# Altium PCB ie-track-kit-arduino-1-V11.PcbDoc (part 1 of 3) (continued)
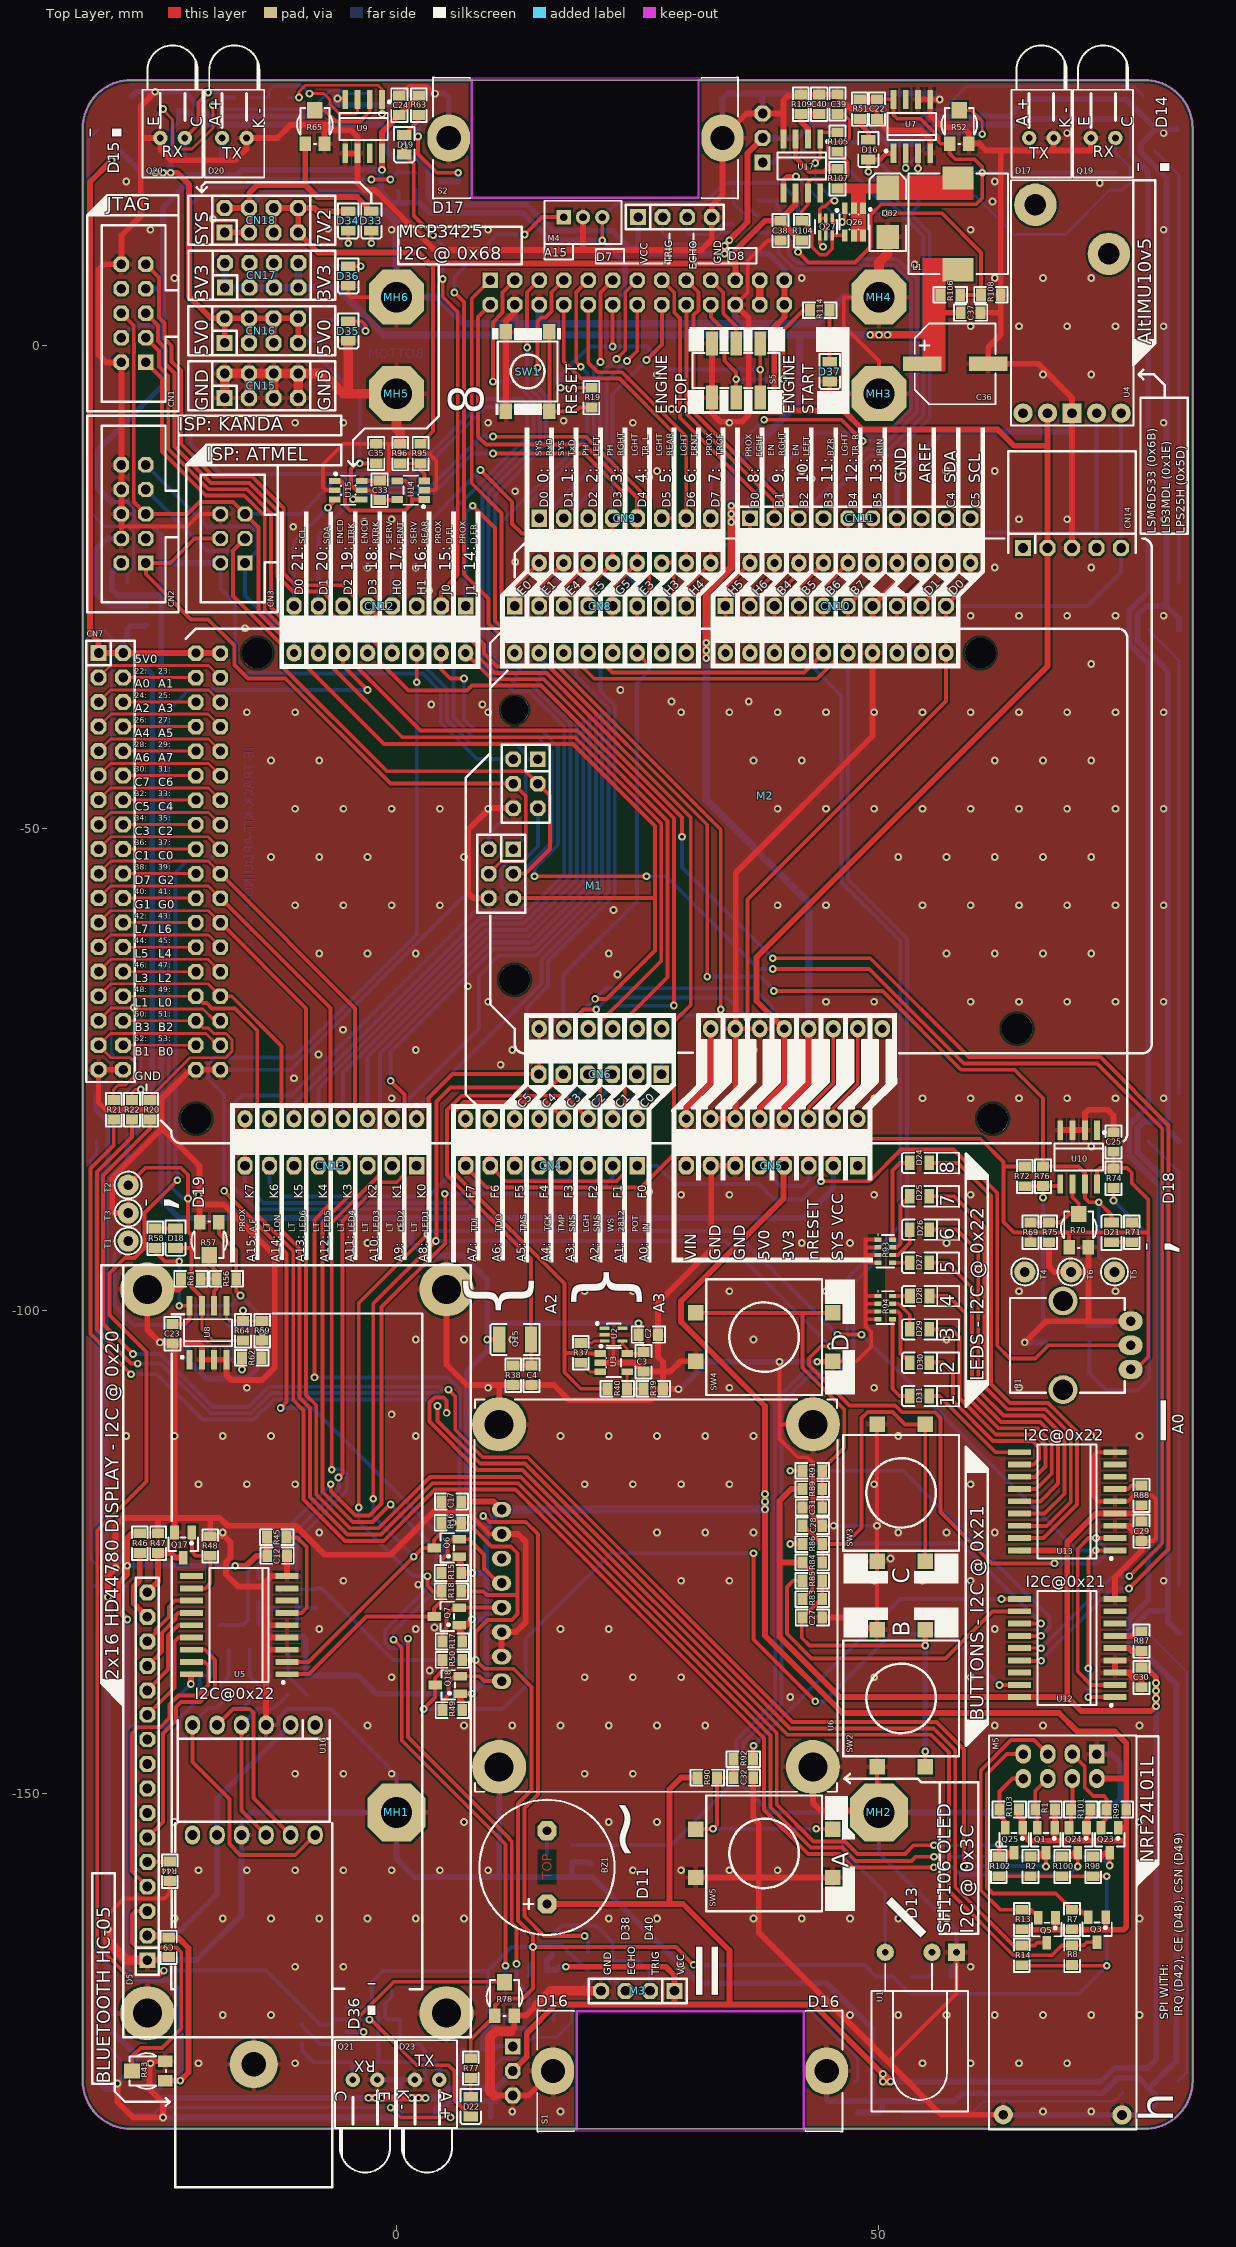
[diagram p0: Top Layer view]
## Footprints (in the part's own frame and the unit in brackets; to place one, negate y for a bottom-side part, rotate by r counter-clockwise, add the part's x,y. Pads: shape width x height; smd on the part's side, far side on the other; paste and mask are expansions set on the pad) (continued)
ARDUINO_MEGA_UPSIDE_DOWN [mm]
  round 3.2 hole 3.2: 1(-41.275,24.13) 1(-40.005,-24.13) 1(34.925,-24.13) 1(41.275,24.13)
  oct 1.6x1.6 hole 0.95: 5V(38.735,-24.13) 5V(41.275,-24.13) D22(38.735,-21.59) D23(41.275,-21.59) D24(38.735,-19.05) D25(41.275,-19.05) D26(38.735,-16.51) D27(41.275,-16.51) D28(38.735,-13.97) D29(41.275,-13.97) D30(38.735,-11.43) D31(41.275,-11.43) D32(38.735,-8.89) D33(41.275,-8.89) D34(38.735,-6.35) D35(41.275,-6.35) D36(38.735,-3.81) D37(41.275,-3.81) D38(38.735,-1.27) D39(41.275,-1.27) D40(38.735,1.27) D41(41.275,1.27) D42(38.735,3.81) D43(41.275,3.81) D44(38.735,6.35) D45(41.275,6.35) D46(38.735,8.89) D47(41.275,8.89) D48(38.735,11.43) D49(41.275,11.43) D50(38.735,13.97) D51(41.275,13.97) D52(38.735,16.51) D53(41.275,16.51) GND(38.735,19.05) GND(41.275,19.05)
  oval 1.6x1.8 hole 0.85: A0(-4.445,24.13) A1(-1.905,24.13) A2(0.635,24.13) A3(3.175,24.13) A4(5.715,24.13) A5(8.255,24.13) A6(10.795,24.13) A7(13.335,24.13) A8(18.415,24.13) A9(20.955,24.13) A10(23.495,24.13) A11(26.035,24.13) A12(28.575,24.13) A13(31.115,24.13) A14(33.655,24.13) A15(36.195,24.13) AREF(-31.369,-24.13) D0(8.255,-24.13) D1(5.715,-24.13) D2(3.175,-24.13) D3(0.635,-24.13) D4(-1.905,-24.13) D5(-4.445,-24.13) D6(-6.985,-24.13) D7(-9.525,-24.13) D8(-13.589,-24.13) D9(-16.129,-24.13) D10(-18.669,-24.13) D11(-21.209,-24.13) D12(-23.749,-24.13) D13(-26.289,-24.13) D14(13.335,-24.13) D15(15.875,-24.13) D16(18.415,-24.13) D17(20.955,-24.13) D18(23.495,-24.13) D19(26.035,-24.13) D20(28.575,-24.13) D21(31.115,-24.13) GND(-28.829,-24.13) P1(-27.305,24.13) P2(-24.765,24.13) P3(-22.225,24.13) P4(-19.685,24.13) P5(-17.145,24.13) P6(-14.605,24.13) P7(-12.065,24.13) P8(-9.525,24.13) SCL(-36.449,-24.13) SDA(-33.909,-24.13)
  rect 1.6x1.6 hole 1: PROG1(8.382,-3.81)
  oct 1.6x1.6 hole 1: PROG2(10.922,-3.81) PROG3(8.382,-1.27) PROG4(10.922,-1.27) PROG5(8.382,1.27) PROG6(10.922,1.27)
  silkscreen extent -55.24,-26.67 46.4,26.67, body extent -61.59,-26.67 46.36,26.67, height 15.6
ARDUINO_UNO_UPSIDE_DOWN [mm]
  round 3.2 hole 3.2: 1(-26.035,24.13) 1(26.035,19.05)
  round 2.9 hole 2.9: 1(26.035,-8.89)
  oval 1.6x1.8 hole 0.85: A0(10.795,24.13) A1(13.335,24.13) A2(15.875,24.13) A3(18.415,24.13) A4(20.955,24.13) A5(23.495,24.13) AREF(-16.129,-24.13) D0(23.495,-24.13) D1(20.955,-24.13) D2(18.415,-24.13) D3(15.875,-24.13) D4(13.335,-24.13) D5(10.795,-24.13) D6(8.255,-24.13) D7(5.715,-24.13) D8(1.651,-24.13) D9(-0.889,-24.13) D10(-3.429,-24.13) D11(-5.969,-24.13) D12(-8.509,-24.13) D13(-11.049,-24.13) GND(-13.589,-24.13) P1(-12.065,24.13) P2(-9.525,24.13) P3(-6.985,24.13) P4(-4.445,24.13) P5(-1.905,24.13) P6(0.635,24.13) P7(3.175,24.13) P8(5.715,24.13) SCL(-21.209,-24.13) SDA(-18.669,-24.13)
  rect 1.6x1.6 hole 1: PROG1(23.622,-3.81)
  oct 1.6x1.6 hole 1: PROG2(26.162,-3.81) PROG3(23.622,-1.27) PROG4(26.162,-1.27) PROG5(23.622,1.27) PROG6(26.162,1.27)
  silkscreen extent -40.01,-26.67 28.57,26.67, body extent -46.35,-26.67 28.58,26.67, height 15.55
BUZ-13,8-7,6 [mm] "BUZZER (w or w/o generator), D:13,8mm, P:7,6mm (eg. BPT1412XH7.5)"
  oct 2x2 hole 0.9: 1(-3.8,0) 2(3.8,0)
  silkscreen extent -7,-7 7,7, body extent -7,-7 7,7, height 7.35
C0805 [mil]
  rect 40x50 smd: 1(-40,0) 2(40,0)
  silkscreen extent -68,-33 68,33, body extent -39,-25 39,25, height 31
CES_E_8.3x8.3_6.2 [mm] "SMT Aluminum Electrolytic Capacitor, E Size; base: 8.3x8.3mm, height: 6.2mm"
  rect 1.5x4 smd: 1(0,3.429) 2(0,-3.429)
  silkscreen extent -4.19,-4.19 4.19,4.19, body extent -4.15,-4.5 4.15,4.5, height 6.2
DTSM-25Y [mm] "Diptronics SPST-NO, 50mA/12VDC Yellow TACT Switch"
  rect 1.6x1.6 smd: 1(-7.1,-2.5) 1(7.1,-2.5) 2(-7.1,2.5) 2(7.1,2.5)
  silkscreen extent -6,-6 6,6, body extent -7.5,-6 7.5,6, height 8.5
DTSM-65R [mm] "Diptronics SPST-NO, 50mA/12VDC Red TACT Switch"
  rect 1.6x1.3 smd: 1(-4.125,-2.25) 1(4.125,-2.25) 2(-4.125,2.25) 2(4.125,2.25)
  silkscreen extent -3.1,-3.1 3.1,3.1, body extent -4.54,-3.1 4.54,3.1, height 9.55
GP_4x2 [mil]
  rect 65x65 hole 39.37: 1(0,0)
  oct 65x65 hole 39.37: 2(0,100) 3(100,0) 4(100,100) 5(200,0) 6(200,100) 7(300,0) 8(300,100)
  silkscreen extent -50,-50 350,150, body extent -50,-50 350,150, height 330
GP_5x1H_F [mil]
  rect 65x65 hole 39.37: 1(0,0)
  oct 65x65 hole 39.37: 2(100,0) 3(200,0) 4(300,0) 5(400,0)
  silkscreen extent -60,-20 460,395, body extent -60,-10 460,393, height 97
GP_6X1 [mm]
  rect 1.6x1.8 hole 1: 1(0,0)
  oct 1.6x1.8 hole 1: 2(2.54,0) 3(5.08,0) 4(7.62,0) 5(10.16,0) 6(12.7,0)
  body extent -1.27,-1.27 13.97,1.27, height 8.38
GP_8X1 [mm]
  rect 1.6x1.8 hole 1: 1(0,0)
  oct 1.6x1.8 hole 1: 2(2.54,0) 3(5.08,0) 4(7.62,0) 5(10.16,0) 6(12.7,0) 7(15.24,0) 8(17.78,0)
  body extent -1.27,-1.27 19.05,1.27, height 8.38
GP_10x1 [mil]
  rect 65x65 hole 39.37: 1(0,0)
  oct 62.99x65 hole 39.37: 2(100,0) 3(200,0) 5(400,0) 6(500,0)
  oct 65x65 hole 39.37: 4(300,0) 7(600,0) 8(700,0) 9(800,0) 10(900,0)
  silkscreen extent -50,-50 950,47, body extent -50,-50 950,50, height 330
GP_18x2 [mil]
  rect 65x65 hole 39.37: 1(0,-100)
  oct 65x65 hole 39.37: 2(0,0) 3(100,-100) 4(100,0) 5(200,-100) 6(200,0) 7(300,-100) 8(300,0) 9(400,-100) 10(400,0) 11(500,-100) 12(500,0) 13(600,-100) 14(600,0) 15(700,-100) 16(700,0) 17(800,-100) 18(800,0) 19(900,-100) 20(900,0) 21(1000,-100) 22(1000,0) 23(1100,-100) 24(1100,0) 25(1200,-100) 26(1200,0) 27(1300,-100) 28(1300,0) 29(1400,-100) 30(1400,0) 31(1500,-100) 32(1500,0) 33(1600,-100) 34(1600,0) 35(1700,-100) 36(1700,0)
  silkscreen extent -50,-150 1750,47, body extent -50,-150 1750,50, height 330
HC-05_H_2 [mm] "HC-05 Bluetooth Module, Mounted Horizontally"
  oval 1.6x2 hole 1: 1(-6.35,11.4) 1(6.35,0) 2(-3.81,11.4) 2(3.81,0) 3(-1.27,11.4) 3(1.27,0) 4(-1.27,0) 4(1.27,11.4) 5(-3.81,0) 5(3.81,11.4) 6(-6.35,0) 6(6.35,11.4)
  silkscreen extent -8.13,-0.51 8.13,47.9, body extent -7.87,-0.25 7.87,47.6, height 6.41
HC-SR04 [mil]
  rect 65x65 hole 39.37: 1(-150,0)
  oct 65x65 hole 39.37: 2(-50,0) 3(50,0) 4(150,0)
  silkscreen extent -200,-50 200,50, body extent -200,-50 200,50, height 330
HC-SR04_UNIV [mm]
  round 1.5 hole 0.8: 1(-3.667,0) 6(-5.667,0)
  rect 1.5x1.5 hole 0.8: 2(-7.668,0)
  rect 1.651x1.651 hole 1: 3(0.048,0)
  oct 1.651x1.651 hole 1: 4(2.588,0)
  oct 1.6x1.651 hole 1: 5(5.128,0) 6(7.668,0)
  silkscreen extent -9.67,-2.8 8.94,1.7, body extent -9.62,-2.8 8.94,1.7, height 8.38
HD-1581HB_VERTICAL_1 [mm]
  rect 1.651x1.651 hole 1: 1(12.946,-2.54)
  oct 1.651x1.651 hole 1: 2(12.946,0) 3(12.946,2.54)
  oval 4.4x4.9 hole 2.5: M(-19.585,0) M(8.785,0)
  Keep-Out Layer board cut-out: -17.15,6.25 6.35,6.25 6.35,-6.25 -17.15,-6.25
  silkscreen extent -21.21,-6.25 10.41,6.25, body extent -21,-6 14.22,6, height 14.95
IDC6 [mm] "2.54mm, 6 Pin IDC Male Connector"
  rect 1.6x1.6 hole 1: 1(-2.54,-1.27)
  oct 1.6x1.6 hole 1: 2(-2.54,1.27) 3(0,-1.27) 4(0,1.27) 5(2.54,-1.27) 6(2.54,1.27)
  silkscreen extent -7.62,-4.64 7.61,4.83, body extent -7.62,-4.57 7.62,4.7, height 9.29
IDC10 [mm] "2.54mm, 10 Pin IDC Male Connector"
  rect 1.6x1.6 hole 1: 1(-5.08,-1.27)
  oct 1.6x1.6 hole 1: 2(-5.08,1.27) 3(-2.54,-1.27) 4(-2.54,1.27) 5(0,-1.27) 6(0,1.27) 7(2.54,-1.27) 8(2.54,1.27) 9(5.08,-1.27) 10(5.08,1.27)
  silkscreen extent -10.16,-4.64 10.16,4.83, body extent -10.16,-4.65 10.16,4.83, height 9.27
IDC26_RA_LONG_W_CN [mm] "2.54mm, 26 Pin IDC Male Connector, Right Angle"
  rect 1.6x1.6 hole 1: 1(-15.24,-1.27)
  oct 1.6x1.6 hole 1: 2(-15.24,1.27) 3(-12.7,-1.27) 4(-12.7,1.27) 5(-10.16,-1.27) 6(-10.16,1.27) 7(-7.62,-1.27) 8(-7.62,1.27) 9(-5.08,-1.27) 10(-5.08,1.27) 11(-2.54,-1.27) 12(-2.54,1.27) 13(0,-1.27) 14(0,1.27) 15(2.54,-1.27) 16(2.54,1.27) 17(5.08,-1.27) 18(5.08,1.27) 19(7.62,-1.27) 20(7.62,1.27) 21(10.16,-1.27) 22(10.16,1.27) 23(12.7,-1.27) 24(12.7,1.27) 25(15.24,-1.27) 26(15.24,1.27)
  silkscreen extent -20.32,3.1 20.32,11.9, body extent -20.37,-1.64 20.31,21.3, height 9.13
JS202011SCQN [mm] "C&K DPDT Switch"
  rect 1.2x2.5 smd: 1(0,2.8) 2(-2.5,2.8) 3(2.5,2.8) 4(-2.5,-2.8) 5(0,-2.8) 6(2.5,-2.8)
  silkscreen extent -4.5,-1.8 4.5,1.8, body extent -4.5,-3.5 4.5,3.5, height 5.5
Keystone_5000_RED [mm] "Red Keystone Electronics 5000 Test Point"
  round 2.2 hole 1: 0(0,0)
  silkscreen extent -1.4,-1.4 1.39,1.4, body extent -1.27,-1.27 1.27,1.27, height 4.57
Keystone_5001_BLACK [mm] "Black Keystone Electronics 5001 Test Point"
  round 2.2 hole 1: 0(0,0)
  silkscreen extent -1.4,-1.4 1.39,1.4, body extent -1.27,-1.27 1.27,1.27, height 4.57
Keystone_5003_ORANGE [mm] "Orange Keystone Electronics 5003 Test Point"
  round 2.2 hole 1: 0(0,0)
  silkscreen extent -1.4,-1.4 1.39,1.4, body extent -1.27,-1.27 1.27,1.27, height 4.57
KPS-3227 [mm]
  rect 1.27x2.7 smd: 1(-1.65,0) 2(1.65,0)
  silkscreen extent -2.52,-1.6 2.58,1.6, body extent -1.6,-1.35 1.6,1.35, height 1.12
KTIR0711S_wide_pads [mm]
  rect 3.5x1 smd: 1(-2.1,-0.9) 2(-2.1,0.9) 3(2.1,0.9) 4(2.1,-0.9)
  silkscreen extent -1.5,-1.7 1.5,1.7, body extent -2.6,-1.7 2.6,1.7, height 1.5
LED0805G [mil]
  rect 40x60 smd: 1(-40,0) 2(40,0)
  silkscreen extent -72,-41 72,41, body extent -40,-25 40,25, height 43
LED0805R [mil]
  rect 40x60 smd: 1(-40,0) 2(40,0)
  silkscreen extent -72,-41 72,41, body extent -40,-25 40,25, height 43
LED0805Y [mil]
  rect 40x60 smd: 1(-40,0) 2(40,0)
  silkscreen extent -72,-41 72,41, body extent -40,-25 40,25, height 43
LED-502 [mm] "FIX&FASTEN"
  round 1.5 hole 0.7: 1(-1.27,0) 2(1.27,0)
  silkscreen extent -3.1,-4.1 3.1,9.6, body extent -3.05,-4.08 3.05,10.4, height 6.17
NRF24L01L [mm]
  rect 2x1.6 hole 1: 1(0,0)
  oval 2x1.6 hole 1: 2(-2.54,0) 3(0,2.54) 4(-2.54,2.54) 5(0,5.08) 6(-2.54,5.08) 7(0,7.62) 8(-2.54,7.62)
  round 2 hole 1: 9(-37.375,9.7) 10(-37.4,-2.6)
  silkscreen extent -38.89,-4.1 1.91,11.2, body extent -46.77,-4.1 1.9,11.2, height 14.24
PSDB1005 [mm] "PSDB Series Shielded SMD Power Inductor"
  rect 2.4x3.2 smd: 1(-4.75,0) 2(4.75,0)
  silkscreen extent -5.2,-5.15 5.2,5.15, body extent -5.2,-5.2 5.2,5.2, height 4.85
R0805 [mil]
  rect 40x50 smd: 1(-40,0) 2(40,0)
  silkscreen extent -68,-32 68,32, body extent -39,-25 39,25, height 31
RC1602B-GHY-CSXD [mm]
  rect 1.6x1.651 hole 1: 1(0,0)
  oct 1.6x1.651 hole 1: 2(2.54,0) 3(5.08,0) 4(7.62,0) 10(22.86,0) 11(25.4,0)
  oct 1.651x1.651 hole 1: 5(10.16,0) 6(12.7,0) 7(15.24,0) 8(17.78,0) 9(20.32,0) 12(27.94,0) 13(30.48,0) 14(33.02,0) 15(35.56,0) 16(38.1,0)
  round 5.6 hole 3: M1(-5.5,0) M1(-5.5,-31) M1(69.5,-31) M1(69.5,0)
  silkscreen extent -8,-33.5 72,2.5, body extent -8,-33.5 72,2.5, height 20.4
RK09K113004U [mm] "ALPS RK09K 9mm Size Insulated Shaft Snap-in Type Potentiometer"
  oval 2x2.5 hole 1: 1(-2.5,-3.5) 2(0,-3.5) 3(2.5,-3.5)
  round 3 hole 2.1: M1(-4.6,3.5) M2(4.6,3.5)
  silkscreen extent -4.9,-2.9 4.9,9, body extent -5.7,-3.65 5.7,9, height 15
RPack_0603x4_1206 [mm] "Chip Resistor Array, (0603x4); SM; 8 Leads; Body 3.40 x 1.80 mm (LxW max), e.g. Bourns CAT16-J4, Panasonic EXBV8V"
  rect 0.45x0.7 smd: 1(-1.2,-0.75) 2(-0.4,-0.75) 3(0.4,-0.75) 4(1.2,-0.75) 5(1.2,0.75) 6(0.4,0.75) 7(-0.4,0.75) 8(-1.2,0.75)
  silkscreen extent -1.75,-0.9 1.7,0.9, body extent -1.6,-0.8 1.6,0.8, height 0.5
SMB [mm]
  rect 2.5x2.3 smd: 1(-2.54,0) 2(2.54,0)
  silkscreen extent -4,-1.9 4,1.9, body extent -2.7,-1.8 2.7,1.8, height 2.3
SO8 [mm] "Small Outline; 8 Leads; Body Width 3.7 mm; Pitch 1.27 mm"
  rect 0.6x2 smd: 1(-1.905,-2.794) 2(-0.635,-2.794) 3(0.635,-2.794) 4(1.905,-2.794) 5(1.905,2.794) 6(0.635,2.794) 7(-0.635,2.794) 8(-1.905,2.794)
  silkscreen extent -2.79,-2.66 2.5,1.4, body extent -2.4,-2.9 2.4,2.9, height 1.75
SO18W [mm]
  rect 0.6x2.4 smd: 1(-5.08,-4.953) 2(-3.81,-4.953) 3(-2.54,-4.953) 4(-1.27,-4.953) 5(0,-4.953) 6(1.27,-4.953) 7(2.54,-4.953) 8(3.81,-4.953) 9(5.08,-4.953) 10(5.08,4.953) 11(3.81,4.953) 12(2.54,4.953) 13(1.27,4.953) 14(0,4.953) 15(-1.27,4.953) 16(-2.54,4.953) 17(-3.81,4.953) 18(-5.08,4.953)
  silkscreen extent -6.05,-4.7 5.91,3.05, body extent -5.76,-5.15 5.77,5.15, height 2.65
SOT-23 [mm]
  rect 0.9x1.4 smd: 1(-0.9,-1.3) 2(0.9,-1.3) 3(0,1.3)
  silkscreen extent -1.52,-0.76 1.52,0.64, body extent -1.46,-1.25 1.46,1.23, height 1
SOT-23-5 [mm] ", AKA: SOT753 (NXP), TSOP5 (NXP)"
  rect 0.7x1.2 smd: 1(-0.95,-1.4) 2(0,-1.4) 3(0.95,-1.4) 4(0.95,1.4) 5(-0.95,1.4)
  silkscreen extent -1.82,-1.42 1.5,0.76, body extent -1.45,-1.4 1.45,1.4, height 1.14
SOT-23-6 [mm] "SOT23-6, AKA: SOT-26 (Diodes), SuperSOT-6 (Fairchild), SOT753 (NXP), TSOP5 (NXP)"
  rect 0.6x1.2 smd mask+0.07: 1(-0.95,-1.4) 2(0,-1.4) 3(0.95,-1.4) 4(0.95,1.4) 5(0,1.4) 6(-0.95,1.4)
  silkscreen extent -1.83,-1.42 1.5,0.76, body extent -1.4,-1.21 1.4,1.21, height 1.09
"SOT-323-5 (SOT-353, SC70-5)" [mm] "SOT-353/SC-88A; 5 Leads; Body 2.2 x 2.2 mm, inc. leads (LxW max)"
  rect 0.35x1.05 smd: 1(-0.65,-0.925) 2(0,-0.925) 5(-0.65,0.925)
  rect 0.35x1 smd: 3(0.65,-0.925) 4(0.65,0.925)
  silkscreen extent -1.27,-1.82 1.15,0.7, body extent -1.05,-1.12 1.05,1.18, height 1
"SOT-323-6 (SOT-363, SC88, SC70-6)" [mm] "SOT-363; 6 Leads; Body 2.2 x 2.2 mm, inc. leads (LxW max)"
  rect 0.35x1.05 smd: 1(-0.65,-0.875) 2(0,-0.875) 3(0.65,-0.875) 4(0.65,0.875) 5(0,0.875) 6(-0.65,0.875)
  silkscreen extent -1.28,-1.82 1.15,0.7, body extent -1.05,-1.15 1.05,1.15, height 1
TSOP312(4)_H [mm]
  rect 1.8x1.8 hole 0.7: 1(0,0)
  round 1.8 hole 0.7: 2(2.54,0) 3(7.392,0)
  silkscreen extent -1.2,1.2 8.8,16.5, body extent -1.2,-0.2 8.8,16.5, height 5.95
WAVESHARE_1.3INCH_OLED [mm]
  round 5.6 hole 3: 0(-17.75,-16.25) 0(-17.75,16.25) 0(17.75,-16.25) 0(17.75,16.25)
  oval 1.6x2 hole 1: 1(8.92,16) 2(6.38,16) 3(3.84,16) 4(1.3,16) 5(-1.24,16) 6(-3.78,16) 7(-6.32,16) 8(-8.86,16)
  silkscreen extent -20.32,-18.8 20.32,18.8, body extent -20.32,-18.77 20.32,18.77, height 2.2
WS2812B [mm] "WS2812B Addressable RGB LED"
  rect 1.5x1.1 smd: 1(-2.45,1.6) 2(-2.45,-1.6) 3(2.45,-1.6) 4(2.45,1.6)
  silkscreen extent -2.55,-2.8 2.85,2.5, body extent -2.65,-2.5 2.65,2.5, height 1.6

## Part data
BZ1: "Piezoelectric Sound Transducer: 5Vp-p; 4kHz; O:14mm; with generator", Published=24-Mar-1999, Publisher="Altium Limited", Revision="July-2002: Re-released for DXP Platform."
C1 C2 C3 C4 C5 C6 C7 C8 C9 C10 C11 C12 C13 C14 C15 C16 C17 C18 C19 C20 C21 C22 C23 C24 C25 C26 C27 C28 C29 C30 C31 C32 C33 C34 C35 C37 C38 C39 C40: library part Cap, "Capacitor", ComponentLink1Description=datasheet, ComponentLink2Description=supplier
C36: library part "Cap Pol", "Polarized Capacitor", ComponentLink1Description=datasheet, ComponentLink2Description=supplier
CN1: "JTAG Header for AVR MCU's"
CN2: "Kanda ISP Programming Header for AVR MCU's"
CN3: "ISP Programming Header for AVR MCU's"
CN19: library part CN_13x2
D1 D2 D3 D4 D6 D7 D8 D9 D10 D11 D12 D13 D14 D15: "Intelligent control LED integrated light source"
D5: "16x2 LCD Display"
D16 D18 D19 D21 D22 D24 D25 D26 D27 D28 D29 D30 D31 D33 D34: library part LED_RED, "RED LED", Published=04-Apr-2006
D17 D20 D23: "IR transmitter; 5mm; 850nm; transparent; 230mW; 10°; THT; 1.5÷1.8V", Published=04-Apr-2006
D32: "Schottky barrier rectifier: 40V, 1A", PackageReference=SMB, Published=22-Nov-2006, Supplier 1=TME, Supplier 2=Farnell, Supplier Part Number 1=MBRS140T3G, Supplier Part Number 2=1467526
D35 D37: library part LED_GREEN, "GREEN LED", Published=04-Apr-2006
D36: "YELLOW LED", Published=04-Apr-2006
L1: library part PSDB1005NT100, "10uH, 20%, 3,45A, PSDB1005N Series Inductor", ComponentLink1Description=datasheet, ComponentLink2Description=supplier, Published=08-Mar-2006, Supplier 1=TME, Supplier Part Number 1=PSDB1005NT100
M1: "Arduino MEGA Rev3 Board"
M2: "Arduino UNO Rev3 Board"
M3: library part HC-SR04
M4: library part HC-SR04_UNIVERSAL
M5: "Long Range Wireless Module R2 (1.1KM, PA+SMA)"
MH1 MH2 MH3 MH4 MH5 MH6: library part MHOLE_3MM, "3mm Mounting Hole"
P1: library part RK09K113004U, "RK09K113004U", ComponentLink1Description=datasheet, ComponentLink2Description=supplier, Published=21-10-2009
Q1 Q2 Q3 Q4 Q5 Q6 Q7 Q8 Q9 Q10 Q11 Q12 Q13 Q14 Q16 Q17 Q18 Q22 Q23 Q24 Q25: "N-Channel Enhancement Mode Vertical DMOS FET", ComponentLink1Description="Manufacturer Link", ComponentLink1URL=http://www.zetex.com/, ComponentLink2Description=Datasheet, ComponentLink2URL=www.zetex.com/3.0/pdf/BSS138.pdf, DatasheetVersion=Mar-96, PackageDescription="SOT-23; 3 Leads; Body 3.1 x 2.5 mm, inc. leads (LxW max), Alternate Lead Configuration", PackageReference=SOT23, PackageVersion=1996, Published=17-Dec-2003, Publisher="Altium Limited"
Q15: "Photo Transistor 60V 0,1mA 580nm (TME KPS-3227SP1C)", Supplier Part Number 1=ELPT15-21C, Supplier 1=TME
Q19 Q20 Q21: "Phototransistor; ?p max:850nm; 70V; 20°; Lens: transparent; O:5mm", Supplier Part Number 1=ELPT15-21C, Supplier 1=TME
Q26: "P-Channel MOSFET; -60V, -5A, 1.3W;", Supplier 1=TME, Supplier Part Number 1=AO6401A
Q27: "PNP/NPN General Purpose Transistor (VCE=45V, IC=100mA)", Supplier Part Number 1=BC847BPN.115, Supplier 1=TME, Supplier 2=Farnell, Supplier 3=Farnell, Supplier 4=Farnell, Supplier Part Number 2=2336824, Supplier Part Number 3=1081233RL, Supplier Part Number 4=1081233
R1 R2 R3 R4 R5 R6 R7 R8 R9 R10 R11 R12 R13 R14 R15 R16 R17 R18 R19 R20 R21 R22 R23 R24 R25 R26 R27 R28 R29 R30 R31 R32 R33 R34 R35 R36 R37 R38 R39 R40 R41 R42 R44 R45 R46 R47 R48 R49 R50 R51 R53 R54 R55 R56 R58 R59 R60 R61 R62 R63 R64 R66 R67 R68 R69 R71 R72 R73 R74 R75 R76 R77 R79 R80 R81 R82 R83 R84 R85 R86 R87 R88 R89 R90 R91 R92 R95 R96 R97 R98 R99 R100 R101 R102 R103 R104 R105 R106 R107 R108 R109 R110 R111 R112 R113 R114: library part Res, "Resistor", ComponentLink1Description=datasheet, ComponentLink2Description=supplier, Published=19-Feb-2006
R43 R52 R57 R65 R70 R78: library part 3305SMD-10K, "3305SMD-10K", ComponentLink1Description=datasheet, ComponentLink2Description=supplier, Published=21-10-2009
R93 R94: library part "Res Pack4_1", "Isolated Resistor Network - Parts", Code_JEDEC=MO-001-AC, LatestRevisionDate=17-Jul-2002, LatestRevisionNote="Re-released for DXP Platform.", PackageReference=DIP-16, Published=24-Mar-1999, Publisher="Altium Limited", Sim Note="Enter the Resistance value into parameter field."
S1 S2: "HD-1581HB Micro Servo"
S3 S4: "SUBMINIATURE, HIGH SENSITIVITY PHOTOINTERRUPTER"
S5: "C&K JS202011SCQN DPDT Switch", Supplier Part Number 1=2320019RL, Published=24-Mar-1999, Publisher="Altium Limited", Revision="July-2002: Re-released for DXP Platform.", Supplier 1=Farnell, Supplier 2=Farnell, Supplier Part Number 2=2320019
SW1: "DIPTRONICS Red 6x6mm SMD Tactile SPST-NO Switch", Supplier Part Number 1=DTSM-65R-V-B, Supplier 1=TME
SW2 SW3 SW4 SW5: "DIPTRONICS Yellow 12x12mm SMD Tactile SPST-NO Switch", Supplier Part Number 1=DTSM-25Y-V-B, Supplier 1=TME
T1 T4: library part "Keystone 5000 Test Point", "Keystone 5000 Test Point (RED)"
T2 T5: library part "Keystone 5003 Test Point", "Keystone 5003 Test Point (ORANGE)"
T3 T6: library part "Keystone 5001 Test Point", "Keystone 5001 Test Point (BLACK)"
U1: "36kHz IR Receiver Module for Remote Control Systems"
U2: "Low-Power Linear Active Thermistor IC"
U3: "Rail-to-rail, 1MHz, 100uA Op Amp", Supplier Part Number 1=4974992, Supplier 1=Farnell, Supplier 2=Farnell, Supplier 3=Farnell, Supplier 4=TME, Supplier 5=TME, Supplier 6=Farnell, Supplier Part Number 2=2412853, Supplier Part Number 3=4974992RL, Supplier Part Number 4=TS912ID, Supplier Part Number 5=MCP6001T-I/OT, Supplier Part Number 6=1094386
U4: "Pololu Gyro, Accelerometer, Compass, and Altimeter (L3GD20H, LSM303D, and LPS25H Carrier)"
U5 U12 U13: "8-Bit I/O Expander with Serial Interface I2C, 18-Pin SOIC Package"
U6: library part WaveShare_1.3inch_OLED, "DEP096032B-W OLED Display"
U7 U8 U9 U10 U11: "Low power dual voltage comparators", Published=03-Apr-2006
U14: "Rail-to-rail, 1MHz, 100uA Op Amp", Supplier Part Number 1=1825040, Supplier 1=Farnell, Supplier 2=TME, Supplier Part Number 2=MCP6401T-E/OT
U15: "16-Bit Analog-to-Digital Converter with I2C Interface and On-Board Reference", Supplier Part Number 1=1578433, Supplier 1=Farnell, Supplier 2=Farnell, Supplier 3=Farnell, Supplier 4=TME, Supplier Part Number 2=2371380, Supplier Part Number 3=1578433RL, Supplier Part Number 4=MCP3425A0T-ECH
U16: library part HC-05_BTM, "HC-05 Bluetooth Module"
U17: "DC-DC Converter NCP3063BDR2G (Farnell 1547126)", Supplier Part Number 1=1547126, PackageReference=SO8, Published=22-Nov-2006, Supplier 1=Farnell, Supplier 2=Farnell, Supplier 3=Farnell, Supplier Part Number 2=2126136, Supplier Part Number 3=1547126RL

## Free pads (board coordinates)
  round 5 hole 2.5: M3(-14.781,-178.1)

## Via types
v1: diameter 0.8, hole 0.4, Top Layer to Bottom Layer, tented both sides, 538 vias

## Nets (pads, with @x,y where several pads share a name; then routed paths per layer and width w, separated by ;. In a path a pad name is that pad's centre, name@x,y a point inside that pad or via, vN(x,y) a via of type N, cw(c..) or ccw(c..) an arc to the next point about the centre after c; other vN are vias at no path point)
3V3: C17.2 C36.1 C37.2 CN5.4 CN17.1 CN17.2 CN17.3 CN17.4 CN17.5 CN17.6 CN17.7 CN17.8 L1.2 M1.P4 M2.P4 M5.2 Q1.1 Q2.1 Q3.1 Q4.1 Q5.1 Q6.1 Q7.1 Q18.1 Q23.1 Q24.1 Q25.1 R1.2 R3.1 R7.2 R9.1 R13.2 R15.2 R17.2 R49.2 R99.1 R101.1 R103.1 R106.2 R111.1 U6.1 | length 456.6
  Top Layer w0.6: Q6.1@6.5,-125.5 6.5,-126 6.716,-126.216 R15.2@6.716,-127.2 v1(7.84,-127.2) ; C17.2@6.716,-119.8 10.08,-119.8 U6.1@10.9,-120.62 ; R49.2@6.816,-141.4 6.816,-140.5 6.6,-140.284 Q18.1@6.6,-139.7 v1(7.796,-139.7) ; R17.2@6.816,-134.3 6.816,-133.42 6.5,-133.104 Q7.1@6.5,-132.6 7.24,-132.6 v1(7.84,-132) ; CN5.4@40.24,-85 40.096,-85.144 40.096,-88.404 29.5,-99 29.5,-101.2 38.2,-109.9 v1(38.2,-120.6) 38.2,-133.688 46.212,-141.7 68.654,-141.7 70.554,-143.6 74.4,-143.6 75.616,-144.816 75.616,-148.5 ; C36.1@53.295,-1.9 C36.1@54.471,-1.9 ; 55.67,3.4 C37.2@58.484,3.4 ; R103.1@64.516,-151.7 64.516,-152.416 64.9,-152.8 Q25.1@64.9,-153.6 64.9,-154.3 65.546,-154.946 68.3,-154.946 ; R13.2@64.8,-164.116 64.838,-164.154 68.4,-164.154 ; R1.2@68.232,-151.7 68.232,-153.568 Q1.1@68.2,-153.6 68.2,-154.846 68.3,-154.946 ; Q5.1@68.3,-162.9 68.3,-164.054 68.4,-164.154 ; R101.1@71.916,-151.7 71.916,-152.384 71.5,-152.8 Q24.1@71.5,-153.6 71.5,-154.946 ; M5.2@72.58,-148.5 75.616,-148.5 ; Q3.1@73.5,-162.854 73.5,-164.054 73.4,-164.154 ; Q23.1@74.8,-153.6 75.616,-153.6 ; 68.3,-154.946 71.5,-154.946 ; 68.4,-164.154 73.4,-164.154 ; 71.5,-154.946 75.454,-154.946 75.616,-154.784 ; 73.4,-164.154 75.346,-164.154 75.616,-163.884 75.616,-154.784 ; 75.616,-154.784 75.616,-153.6 ; 75.616,-153.6 R99.1@75.616,-151.7 75.616,-148.5
  Top Layer w0.8: v1(32.1,-32.4) v1(32.1,-31.6) v1(32.1,-30.8) 32.1,-25.6 34.7,-23 v1(34.7,-18.3) v1(34.7,-17.46) v1(34.7,-16.6) ; CN5.4@40.185,-85 M1.P4@40.185,-80.13 40.185,-78.825 42.725,-76.285 M2.P4@42.725,-70.8 ; v1(49.1,1.1) v1(50,1.1) v1(50.9,1.1) 55,1.1
  Bottom Layer w0.6: R3.1@-13.3,-137.793 -13.4,-137.693 Q2.1@-13.4,-135.125 -13.4,-133.945 -13.234,-133.779 -9.6,-133.779 -9.4,-133.979 Q4.1@-9.4,-135.125 -9.4,-137.709 R9.1@-9.3,-137.809 -3.991,-137.809 -2.1,-139.7 v1(7.796,-139.7) 9.3,-138.196 9.3,-132.2 9.1,-132 ; v1(7.84,-132) 9.1,-132 ; v1(7.84,-127.2) 9.1,-127.2 ; U6.1@10.9,-120.62 10.9,-120.749 9.3,-122.349 9.3,-132 9.1,-132 ; v1@38.18,-120.62 v1(38.2,-120.6)
  Bottom Layer w0.8: CN17.2@-17.785,8.53 CN17.1@-17.785,5.99 CN17.3@-15.245,5.99 ; CN17.4@-15.245,8.53 CN17.3@-15.245,5.99 ; CN17.6@-12.705,8.53 CN17.5@-12.705,5.99 ; CN17.8@-10.165,8.53 CN17.7@-10.165,5.99 ; U6.1@10.9,-120.62 v1@38.18,-120.62 ; v1(32.1,-30.8) v1(32.1,-31.6) v1(32.1,-32.4) 32.1,-47.1 42.725,-57.725 M2.P4@42.725,-70.8 42.725,-76.225 40.185,-78.765 M1.P4@40.185,-80.13 CN5.4@40.185,-85 ; v1(34.7,-18.3) v1(34.7,-17.46) ; v1(34.7,-16.6) 34.7,-12.9 41.8,-5.8 41.8,1.1 -1.3,1.1 -6.19,5.99 CN17.7@-10.165,5.99 ; v1(38.2,-120.6) v1(38.2,-119.8) v1(38.2,-119) ; 40.754,1.1 v1(49.1,1.1) v1(50,1.1) v1(50.9,1.1) ; CN17.3@-15.245,5.99 CN17.5@-12.705,5.99 ; CN17.5@-12.705,5.99 CN17.7@-10.165,5.99
5V0: BZ1.1 C5.1 C6.1 C7.2 C8.1 C9.2 C10.2 C11.1 C12.2 C13.2 C14.1 C15.2 C16.2 C18.1 C19.1 C20.2 C21.2 C29.2 C30.2 C33.1 C35.1 CN5.5 CN7.1 CN7.2 CN14.2 CN16.1 CN16.2 CN16.3 CN16.4 CN16.5 CN16.6 CN16.7 CN16.8 CN19.25 CN19.26 D1.1 D2.1 D3.1 D4.1 D5.2 D6.1 D7.1 D8.1 D9.1 D10.1 D11.1 D12.1 D13.1 D14.1 D15.1 M1.5V M1.P5 M2.P5 M3.1 M4.3 R24.2 R26.2 R29.2 R32.2 R34.2 R36.2 R42.2 R43.1 R45.1 R46.1 R83.2 R84.2 R87.1 R88.1 R89.2 R90.2 R110.1 S1.2 S2.2 U4.3 U5.18 U12.5 U12.18 U13.4 U13.18 U14.5 U15.5 U16.5 | length 1169.3
  Top Layer w0.4: C35.1@-1.7,-12.216 C35.1@-2.1,-12.216 v1(-3.8,-12.216) -4.135,-12.216 -4.7,-12.781 -4.7,-14.233 -4.692,-14.241 -4.692,-14.508 -4.2,-15 U15.5@-3.6,-15 -2.757,-15 C33.1@-1.741,-16.016 0.034,-16.016 U14.5@0.1,-15.95 ; 39.7,-126.2 39.708,-126.192 39.8,-126.1 ; R83.2@42.084,-129.9 43.1,-128.884 43.1,-127.116 R84.2@42.084,-126.1
  Top Layer w0.6: v1@-29.55,19.25 -29.55,19.15 -31.754,16.946 -31.754,-29.746 -30.864,-30.636 CN7.1@-30.864,-31.87 CN7.2@-28.324,-31.87 M1.5V@-20.775,-31.87 M1.5V@-18.235,-31.87 ; v1(-27.884,-132.016) -28.8,-131.1 -28.8,-128.22 -27.9,-127.32 v1(-27.9,-126.45) -27.9,-123.584 -27.4,-123.084 R46.1@-26.6,-123.084 ; D5.2@-25.816,-164.766 -24.8,-164.766 -24.566,-165 -22.6,-165 -21.546,-166.054 -21.546,-178.946 v1(-22.4,-179.8) R43.1@-23.95,-179.8 ; v1(-25,17.9) v1(-24.2,17.9) v1(-23.4,17.9) -22.7,17.9 -21.5,16.7 -21.5,5.1 -19.215,2.815 CN16.2@-17.8,2.815 ; v1(-21.3,-138.7) -21.3,-137.833 -21.2,-137.733 U5.18@-21.253,-137.68 ; CN16.1@-17.8,0.275 CN16.2@-17.8,2.815 ; v1(-16.7,-126.45) -15.559,-126.45 -14.509,-125.4 C12.2@-13.379,-125.4 -13.416,-125.363 R45.1@-13.416,-123.5 ; CN16.3@-15.26,0.275 CN16.4@-15.26,2.815 ; CN16.5@-12.72,0.275 CN16.6@-12.72,2.815 ; CN16.7@-10.18,0.275 CN16.8@-10.18,2.815 CN16.6@-12.72,2.815 ; S1.2@12.054,-178.8 13.5,-177.354 13.5,-174.9 16.481,-171.919 28.8,-171.919 ; BZ1.1@15.6,-161.5 28.3,-161.5 ; v1(17.554,-168) 27.9,-168 28.81,-168.91 M3.1@28.81,-170.5 28.81,-171.909 28.8,-171.919 ; R90.2@31.184,-148.4 29.5,-148.4 28.3,-149.6 28.3,-161.5 ; v1(34,9.5) 34,10.4 v1(34.5,10.9) ; v1@34.488,10.912 36.375,12.798 36.375,19.929 S2.2@37.946,21.5 ; CN5.5@37.645,-85 M1.P5@37.645,-80.13 37.645,-79.055 40.185,-76.515 M2.P5@40.185,-70.8 37.3,-67.915 37.3,-63.4 67.47,-33.23 CN14.2@67.47,-20.98 67.47,-10.3 ; 39.7,-126.2 39.7,-133.8 45.96,-140.06 U12.18@64.547,-140.06 69.5,-140.06 ; 39.708,-126.192 39.708,-120.205 39.7,-120.197 39.7,-119.7 40.9,-118.5 R89.2@42.084,-118.5 ; 39.8,-126.1 R84.2@42.084,-126.1 ; CN19.25@40.2,6.77 CN19.26@40.2,4.23 40.2,2.942 39.146,1.888 39.146,-5.246 40.65,-6.75 46.35,-6.75 48.3,-8.7 62.3,-8.7 64,-10.4 67.37,-10.4 67.47,-10.3 ; v1@50.4,-179.1 43.219,-171.919 34.5,-171.919 ; U13.18@64.547,-124.85 69.35,-124.85 69.5,-124.7 ; U4.3@67.47,-7.01 67.47,-10.3 ; U12.5@74.453,-134.98 75.88,-134.98 76.167,-135.267 R87.1@77.2,-135.267 C30.2@77.2,-137 77.674,-137 78.7,-138.026 v1(78.7,-138.6) v1(78.7,-139.4) v1(78.7,-140.2) v1(78.7,-141) 78.2,-141.5 70.94,-141.5 69.5,-140.06 ; U13.4@74.453,-121.04 72.46,-121.04 69.5,-124 69.5,-124.7 ; U13.4@74.453,-121.03 77.13,-121.03 77.2,-121.1 ; C29.2@77.2,-121.844 77.2,-121.1 ; R88.1@77.2,-120.176 77.2,-121.1 ; CN16.2@-17.8,2.815 CN16.4@-15.26,2.815 ; CN16.4@-15.26,2.815 CN16.6@-12.72,2.815 ; 28.3,-161.5 29.7,-161.5 34.5,-166.3 34.5,-171.919 ; 28.8,-171.919 34.5,-171.919 ; 69.5,-140.06 69.5,-124.7
  Top Layer w0.7: v1@-1.5,-181.6 v1(1.6,-181.6)
  Top Layer w0.8: v1(-2.9,-181.584) v1(-2.2,-181.584) v1(-1.5,-181.584) ; v1@1.616,-181.584 v1(2.3,-181.584) v1@3,-181.584 ; v1(50.4,-179.9) v1(51.2,-179.9) v1(50.4,-179.1) v1(50.4,-179.9)
  Bottom Layer w0.4: -27.9,-143.2 -27.86,-143.16 -24.06,-143.16 -23.239,-142.339 -23.239,-140.638 v1(-21.3,-138.7) ; R110.1@-7.9,0.584 -7.9,-1.4 -3.8,-5.5 v1(-3.8,-12.216)
  Bottom Layer w0.5: -23.2,20.7 -23.2,22.5 -22.6,23.1 C6.1@-22.6,24.284
  Bottom Layer w0.6: v1(-29.5,19.2) -29.5,19.237 D1.1@-28.601,20.136 -26.365,17.9 v1(-25,17.9) v1(-24.2,17.9) v1(-23.4,17.9) -23.4,19.1 -23.2,19.3 -23.2,20.7 ; v1(-27.884,-132.016) -27.9,-132.032 D6.1@-27.9,-133.45 -27.9,-143.2 -27.9,-168.2 -26.7,-169.4 -23.6,-169.4 -22.4,-170.6 v1(-22.4,-179.8) -23.873,-179.8 D7.1@-25.136,-181.063 -24.616,-181.584 C11.1@-22.9,-181.584 v1(-2.9,-181.584) ; C7.2@-25.96,-29 -26.06,-29.1 -27.55,-29.1 D3.1@-27.9,-29.45 -27.9,-30.4 -28.324,-30.824 CN7.2@-28.324,-31.87 -27.53,-31.87 -25.3,-34.1 -25.3,-79.6 -27.9,-82.2 D4.1@-27.9,-82.45 -27.884,-82.466 C8.1@-27.884,-84.4 -27.884,-84.592 -30.142,-86.85 -30.142,-124.208 v1(-27.9,-126.45) v1(-16.7,-126.45) ; D5.2@-25.816,-164.766 -22.9,-164.766 -18.591,-160.457 U16.5@-18.591,-154.341 -18.591,-150.561 U16.5@-10.971,-142.941 ; C6.1@-22.6,24.3 -21.7,24.3 -20.3,22.9 D2.1@-2.65,22.9 -2.646,22.896 -1.595,22.896 -1,22.301 -1,20.136 -0.264,19.4 2.5,19.4 3.3,18.6 3.3,15.403 4.084,14.619 13.481,14.619 16.2,11.9 22.4,11.9 24.213,10.087 25.1,10.087 ; CN16.7@-10.18,0.275 -9.225,0.275 -8.916,0.584 R110.1@-7.9,0.584 ; C13.2@4.391,-181.584 4.407,-181.6 4.929,-181.078 5.407,-180.6 6.5,-180.6 ; R26.2@6.868,-176.6 6.868,-177.232 6.6,-177.5 6.6,-178.643 6.581,-178.662 6.581,-180.519 6.5,-180.6 ; S1.2@12.554,-178.8 S1.2@12.054,-178.8 10.254,-180.6 6.5,-180.6 ; R24.2@16.2,-166.716 15.6,-167.316 R29.2@15.6,-168.384 15.638,-168.346 16.554,-168.346 16.9,-168 v1(17.554,-168) ; M4.3@25.048,13.3 25.048,10.14 25.1,10.087 ; v1@34.012,9.512 v1(34.012,10.3) ; v1@34.012,10.412 v1(34.5,10.9) ; S2.2@37.946,21.5 41.559,21.5 42.959,22.9 C18.1@45.6,22.9 D10.1@47.55,22.9 48.892,22.9 50.946,20.846 53.754,20.846 55.803,22.895 64.004,22.895 64.594,23.484 C15.2@72.9,23.484 75.019,23.484 D12.1@75.136,23.601 76.2,22.537 76.2,19.7 77.9,18 D14.1@77.9,-24.55 77.9,-25.5 75.942,-27.458 75.942,-30.95 77.9,-32.908 D15.1@77.9,-77.55 77.9,-78.8 77.154,-79.546 77.146,-79.546 75.942,-80.75 75.942,-83.95 79.062,-87.07 79.062,-124.438 77.9,-125.6 D13.1@77.9,-128.55 77.9,-130 77.654,-130.246 77.646,-130.246 75.942,-131.95 75.942,-135.05 78.737,-137.845 78.737,-175.553 C16.2@78.784,-175.6 78.737,-175.647 D11.1@78.737,-177.598 77.835,-178.5 74.4,-178.5 73,-179.9 C14.1@54.409,-179.9 D9.1@52.7,-179.9 52.45,-179.9 52.25,-179.7 52.05,-179.9 v1(51.2,-179.9) ; CN19.26@40.2,4.23 CN19.25@40.2,6.77 40.2,7.901 38.601,9.5 v1(34,9.5) 27.588,9.5 25.687,9.5 25.1,10.087
  Bottom Layer w0.8: v1(-2.9,-181.584) v1(-2.2,-181.584) v1(-1.5,-181.584) ; v1@1.616,-181.584 v1(2.3,-181.584) C13.2@4.391,-181.584 ; CN5.5@37.645,-85 M1.P5@37.645,-80.13 ; v1(50.4,-179.9) v1(50.4,-179.1) v1(51.2,-179.9) v1@50.4,-179.9
  other v1: 3,-181.6
7V2: C38.2 CN18.5 CN18.6 CN18.7 CN18.8 CN19.21 D34.1 R95.1 R104.1 U17.6 | length 94.4
  Top Layer w0.4: R95.1@2.5,-10.184 3.8,-8.884 3.8,8.4 3.9,8.5
  Top Layer w0.6: CN18.5@-12.72,11.705 CN18.6@-12.72,14.245 CN18.8@-10.18,14.245 ; D34.1@-5,13.916 -8.147,13.916 -8.476,14.245 CN18.8@-10.18,14.245 ; CN19.21@35.12,6.77 35.12,8.5 ; U17.6@41.365,15.806 41.365,14.639 39.8,13.074 C38.2@39.8,12.916 ; R104.1@42,10.884 41.832,10.884 C38.2@39.8,12.916 ; CN18.8@-10.18,14.245 CN18.7@-10.18,11.705 -8.121,9.646 2.254,9.646 3.4,8.5 3.9,8.5 35.12,8.5 ; 35.12,8.5 35.12,9.845 38.191,12.916 C38.2@39.8,12.916
ANALOG_F: CN13.8 M1.A15 M4.2 | length 181.9
  Top Layer w0.4: CN13.8@-15.695,-85 M1.A15@-15.695,-80.13 ; v1(6,5.5) 7,4.5 7,-23.7 9.546,-26.246 9.546,-28.796 10.704,-29.954 15.5,-29.954 16.071,-30.525 16.071,-32.614 33.6,-50.143 v1(33.6,-68.8) ; v1(13.3,11.5) 15.1,13.3 M4.2@17.333,13.3
  Bottom Layer w0.4: M1.A15@-15.695,-80.13 CN13.8@-15.695,-85 -15.695,-86.927 -13.776,-88.846 7.154,-88.846 8.8,-87.2 20.045,-87.2 21.151,-86.094 21.151,-79.049 23.659,-76.541 23.659,-70.213 24.441,-69.431 32.969,-69.431 v1(33.6,-68.8) ; v1(6,5.5) 6,7.1 10.4,11.5 v1(13.3,11.5)
AREF: CN10.8 CN11.8 M1.AREF M2.AREF | length 15
  Top Layer w0.4: M1.AREF@51.869,-31.87 CN10.8@51.869,-27 54.409,-24.46 M2.AREF@54.409,-22.54 CN11.8@54.409,-17.9
BNT1: R92.1 U12.10 | length 35.3
  Top Layer w0.4: R92.1@36.955,-146.5 36.955,-145.145 v1(37,-145.1) ; v1(62.7,-129.9) U12.10@64.547,-129.9
  Bottom Layer w0.4: v1(37,-145.1) 52.2,-129.9 v1(62.7,-129.9)
BNT2: R85.1 U12.11 | length 33.9
  Top Layer w0.4: R85.1@42.084,-128 41.095,-128 40.454,-128.641 40.454,-133.488 43.012,-136.046 56.875,-136.046 61.751,-131.17 U12.11@64.547,-131.17
BNT3: R86.1 U12.12 | length 33
  Top Layer w0.4: v1(40.8,-124.2) R86.1@42.084,-124.2 ; U12.12@64.547,-132.44 66.78,-132.44 v1(66.8,-132.42)
  Bottom Layer w0.4: v1(40.8,-124.2) 40.854,-124.146 58.566,-124.146 66.8,-132.38 v1(66.8,-132.42)
BNT4: R91.1 U12.13 | length 39
  Top Layer w0.4: v1(40.8,-116.6) R91.1@42.084,-116.6 ; U12.13@64.547,-133.71 v1(66.8,-133.71)
  Bottom Layer w0.4: v1(40.8,-116.6) 52.5,-116.6 67.674,-131.774 67.674,-132.836 v1(66.8,-133.71)
BUZZER: CN10.4 CN11.4 M1.D11 M2.D11 Q9.1 R27.1 | length 164.6
  Top Layer w0.4: M1.D11@41.709,-31.87 CN10.4@41.709,-27 41.709,-25.08 M2.D11@44.249,-22.54 CN11.4@44.249,-17.9
  Bottom Layer w0.4: Q9.1@18.2,-155.4 28.489,-155.4 35.246,-148.643 35.246,-144.529 39.246,-140.529 39.246,-113.413 39.242,-113.409 39.242,-109.358 42.3,-106.3 45,-106.3 46.692,-104.608 46.692,-96.708 52.2,-91.2 52.2,-61.7 46.135,-55.635 46.135,-36.296 M1.D11@41.709,-31.87
ECHO_F: CN10.1 CN11.1 M1.D8 M2.D8 Q13.2 R35.1 | length 70.2
  Top Layer w0.4: M1.D8@34.089,-31.87 CN10.1@34.089,-27 34.089,-25.08 M2.D8@36.629,-22.54 CN11.1@36.629,-17.9
  Bottom Layer w0.4: CN11.1@36.629,-17.9 36.629,-15.871 43.5,-9 50.917,-9 53.304,-6.613 53.304,6.613 51.613,8.304 48.387,8.304 47.971,7.888 41.279,7.888 39.584,9.583 R35.1@39.584,11.6 39.484,11.7 Q13.2@37.5,11.7